# Altium PCB spd150.PcbDoc (part 11 of 16)
Units mm, origin at the board's own origin, x right, y up, seen from the top; angles counter-clockwise.
Board outline 217.35 x 147.5 mm, 10 copper layers (TOP, LYR2-PLN, LYR3-SIG, LYR4-SIG, LYR5-PLN, LYR6-PLN, LYR7-SIG, LYR8-SIG, LYR9-PLN, BOTTOM), stack 2.134 mm thick; 1065 components, 972 nets, 4226 pads, 2810 vias.
Unrouted connection lines stored in the file: 16.
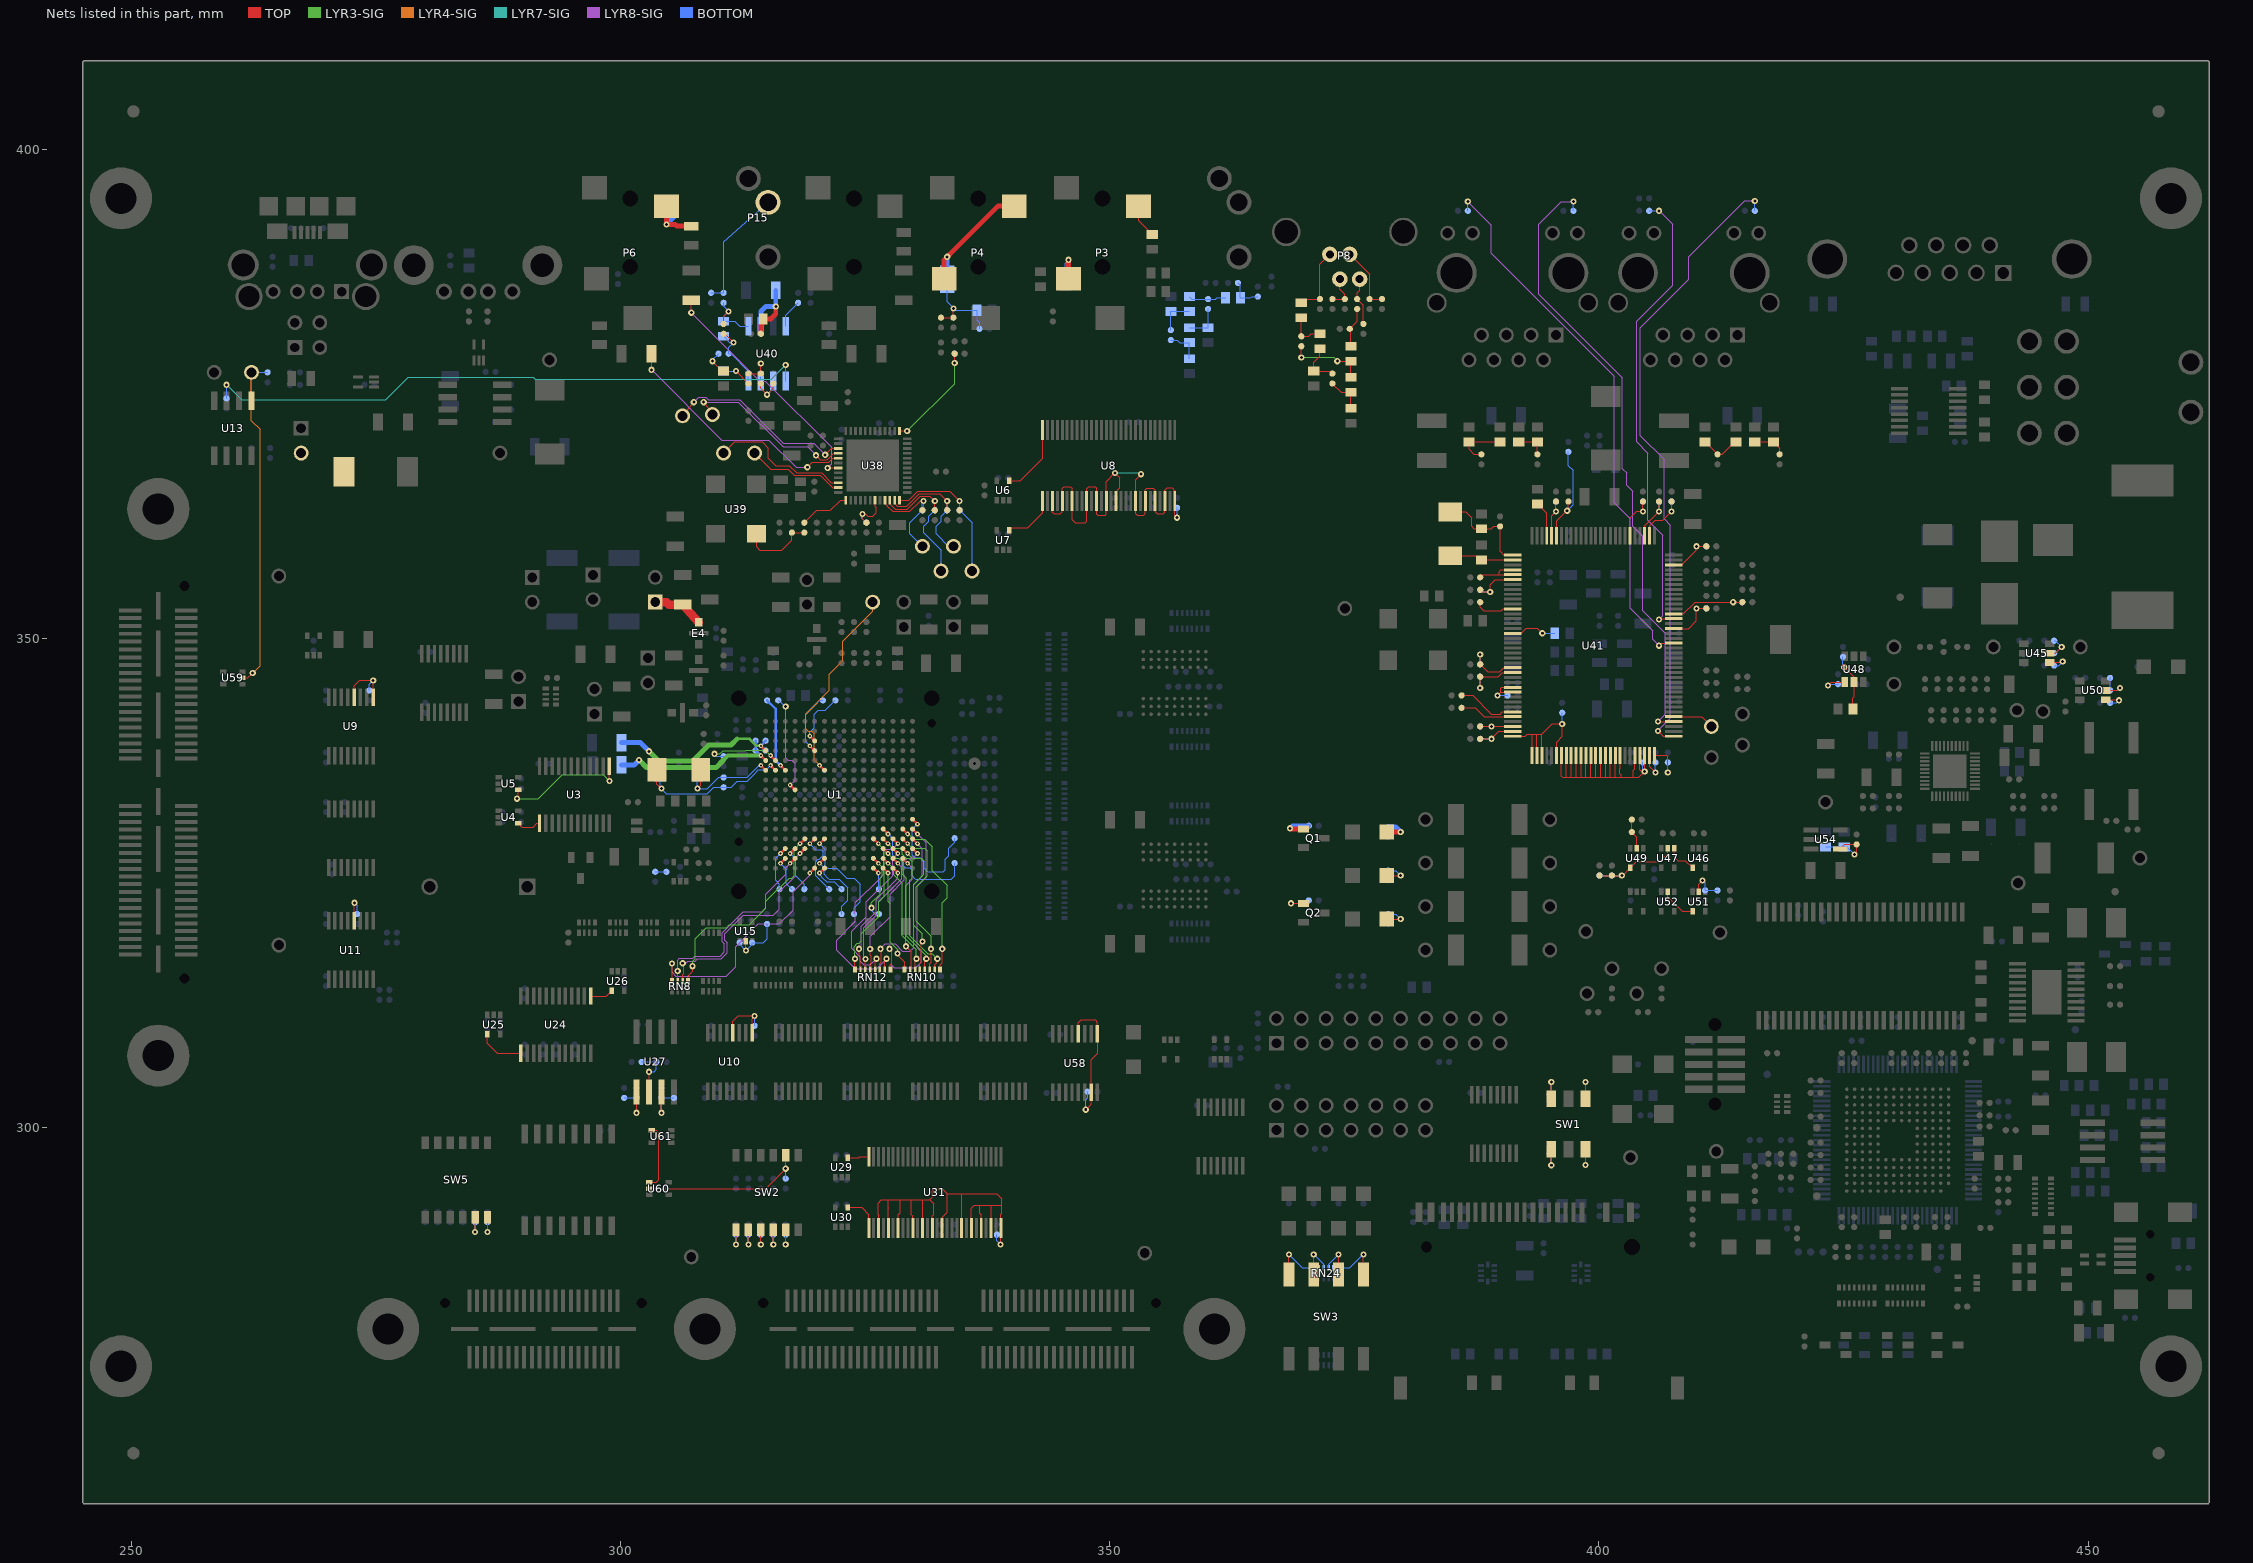
[diagram p19: the nets of this part, all layers, seen from the top]

## Via types
v1: diameter 0.635, hole 0.305, TOP to BOTTOM, 2018 vias
v2: diameter 0.483, hole 0.203, TOP to BOTTOM, 651 vias
v3: diameter 0.508, hole 0.254, TOP to BOTTOM, 120 vias
v4: diameter 0.559, hole 0.254, TOP to BOTTOM, 21 vias

## Nets (pads, with @x,y where several pads share a name; then routed paths per layer and width w, separated by ;. In a path a pad name is that pad's centre, name@x,y a point inside that pad or via, vN(x,y) a via of type N, cw(c..) or ccw(c..) an arc to the next point about the centre after c; other vN are vias at no path point) (continued)
N17369068: E4.3 PTP10.1 R64.1 | length 5.3
  TOP w0.889: PTP10.1@303.53,353.695 304.673,353.695 304.927,353.441 R64.1@306.324,353.441 E4.3@307.975,351.638
N17382218: R152.1 U58.7 U58.9 U58.12 | length 14.7
  TOP w0.127: U58.12@346.781,309.565 346.781,310.713 347.091,311.023 348.488,311.023 348.732,310.779 U58.9@348.732,309.565 348.742,309.555 348.742,307.594 348.082,306.934 U58.7@348.082,303.591 348.082,302.362 v1(347.536,301.815)
  BOTTOM w0.127: v1(347.536,301.815) 347.536,302.832 347.726,303.022 R152.1@347.726,303.657
N17406762: R209.1 R210.2 U39.3 | length 7.5
  TOP w0.127: U39.3@313.88,360.68 313.88,359.346 314.198,359.029 316.484,359.029 317.5,360.045 R210.2@317.5,360.807 R209.1@318.77,360.807
N17415034: C179.1 R215.2 R220.1 U40.5 | length 6.6
  TOP w0.127: R215.2@310.515,382.143 310.515,382.905 v1(311.023,383.413)
  BOTTOM w0.127: R220.1@310.515,384.302 310.515,383.921 v1(311.023,383.413) 310.515,382.905 C179.1@310.515,382.397 311.658,382.397 312.166,381.889 U40.5@313.055,381.889
N17426119: RN24.7 SW3.6 | length 3.8
  TOP w0.127: SW3.6@373.38,284.988 v1(373.38,287.02)
  BOTTOM w0.127: RN24.7@372.359,285.636 372.359,285.999 v1(373.38,287.02)
N17426120: RN24.6 SW3.7 | length 3.8
  TOP w0.127: SW3.7@370.84,284.988 v1(370.84,287.02)
  BOTTOM w0.127: v1(370.84,287.02) 371.861,285.999 RN24.6@371.861,285.636
N17426121: RN24.5 SW3.8 | length 5.6
  TOP w0.127: SW3.8@368.3,284.988 v1(368.3,287.02)
  BOTTOM w0.127: v1(368.3,287.02) 369.684,285.636 RN24.5@371.287,285.636
N17426122: RN24.8 SW3.5 | length 5.6
  TOP w0.127: SW3.5@375.92,284.988 v1(375.92,287.02)
  BOTTOM w0.127: RN24.8@372.933,285.636 374.536,285.636 v1(375.92,287.02)
N17431894: TP39.1 U38.27 | length 19.5
  TOP w0.127: TP39.1@306.324,372.745 v1(307.467,374.142) ; v1(320.904,368.757) 321.561,369.415 U38.27@322.224,369.415
  LYR8-SIG w0.127: v1(307.467,374.142) 307.975,374.65 308.694,374.65 308.948,374.396 312.166,374.396 316.611,369.951 319.71,369.951 v1(320.904,368.757)
N17447305: R53.2 TP2.1 U13.5 U59.2 | length 37.2
  TOP w0.127: U59.2@261.341,345.948 261.874,345.948 v1(262.382,346.456) ; U13.5@262.255,374.269 TP2.1@262.255,377.19
  LYR4-SIG w0.127: TP2.1@262.255,377.19 262.255,372.237 263.144,371.348 263.144,347.218 v1(262.382,346.456)
  BOTTOM w0.127: TP2.1@262.255,377.19 R53.2@263.906,377.19
N17497469: C199.2 U41.66 Y3.2 | length 6.6
  TOP w0.127: Y3.2@384.81,358.445 387.553,358.445 C199.2@387.985,358.013 387.99,358.008 U41.66@391.185,358.008
N17497722: C200.2 R273.2 U41.65 Y3.1 | length 10.4
  TOP w0.127: Y3.1@384.81,362.915 386.385,362.915 386.969,362.331 386.969,361.442 387.223,361.188 C200.2@387.985,361.188 389.001,361.188 389.255,361.442 R273.2@389.89,361.442 389.89,358.902 390.284,358.508 U41.65@391.185,358.508
N17505012: R250.2 U41.76 | length 4.1
  TOP w0.127: R250.2@387.858,353.695 387.858,353.187 388.239,352.806 390.017,352.806 390.215,353.004 U41.76@391.185,353.004
N17532793: R110.2 SW1.1 | length 2.9
  TOP w0.127: v1(395.122,296.139) SW1.1@395.122,297.764
  BOTTOM w0.127: R110.2@394.97,297.307 395.122,297.155 v1(395.122,296.139)
N17532800: R113.1 SW1.3 | length 2.8
  TOP w0.127: v1(398.628,296.164) SW1.3@398.628,297.764
  BOTTOM w0.127: v1(398.628,296.164) 398.628,297.155 R113.1@398.78,297.307
N17532804: R114.1 SW1.6 | length 3
  TOP w0.127: SW1.6@398.628,302.946 v1(398.628,304.648)
  BOTTOM w0.127: v1(398.628,304.648) 398.628,303.555 R114.1@398.78,303.403
N17532808: R111.2 SW1.4 | length 3
  TOP w0.127: SW1.4@395.122,302.946 v1(395.122,304.648)
  BOTTOM w0.127: R111.2@394.97,303.403 395.122,303.555 v1(395.122,304.648)
N17550030: R386.2 SW5.6 | length 2.5
  TOP w0.127: v1(286.385,289.306) SW5.6@286.385,290.83
  BOTTOM w0.127: v1(286.385,289.306) R386.2@286.385,290.322
N17550083: R385.2 SW5.5 | length 2.5
  TOP w0.127: v1(285.115,289.306) SW5.5@285.115,290.83
  BOTTOM w0.127: v1(285.115,289.306) R385.2@285.115,290.322
N17562803: U7.4 U8.1 | length 5.3
  TOP w0.127: U7.4@339.74,361.036 340.02,361.315 341.63,361.315 343.136,362.821 U8.1@343.136,364.033
N17565606: U30.4 U31.1 | length 3.8
  TOP w0.127: U30.4@323.23,291.821 324.637,291.821 325.356,291.102 U31.1@325.356,289.738
N17583058: C174.1 U38.31 | length 24.7
  TOP w0.127: v1(307.213,383.286) C174.1@307.213,384.556 ; v1(321.158,367.416) U38.31@322.224,367.416
  LYR8-SIG w0.127: v1(307.213,383.286) 314.198,376.301 314.785,376.301 321.564,369.522 321.564,367.822 v1(321.158,367.416)
N17584899: R190.2 R191.2 U38.13 | length 11.6
  TOP w0.127: U38.13@328.503,371.196 v1(329.286,371.196) ; v1(334.137,378.155) R191.2@334.137,379.095
  LYR3-SIG w0.127: v1(329.286,371.196) 334.137,376.047 v1(334.137,378.155)
  BOTTOM w0.127: v1(334.137,378.155) R190.2@334.137,379.095
N17692583: U3.1 U4.4 | length 2.5
  TOP w0.127: U4.4@289.535,331.074 289.9,330.708 291.041,330.708 291.422,331.089 U3.1@291.699,331.089
N17718724: R201.2 R207.1 TP9.1 U38.45 | length 11.8
  TOP w0.127: U38.45@327.005,364.134 327.005,363.791 327.251,363.545 327.251,363.522 327.807,362.966 329.565,362.966 330.632,364.033 v1(330.962,364.033) 330.962,363.22 R201.2@330.835,363.093
  BOTTOM w0.127: TP9.1@330.835,359.41 329.565,360.68 329.565,361.823 R207.1@330.835,363.093 330.835,363.906 v1(330.962,364.033)
N17719164: R200.2 R206.1 TP10.1 U38.46 | length 15.3
  TOP w0.127: U38.46@327.505,364.134 327.505,363.756 328.041,363.22 329.311,363.22 330.632,364.541 331.597,364.541 v1(332.105,364.033) R206.1@332.105,363.093
  BOTTOM w0.127: v1(332.105,364.033) R200.2@332.105,363.093 331.47,362.458 331.47,361.95 330.962,361.442 330.962,360.807 332.74,359.029 TP10.1@332.74,356.87
N17733232: R44.1 U9.9 U9.12 | length 6.2
  TOP w0.127: U9.12@272.74,343.982 272.74,345.13 273.304,345.694 v1(274.701,345.694) 274.701,343.992 U9.9@274.691,343.982
  BOTTOM w0.127: R44.1@274.32,344.678 274.32,345.313 v1(274.701,345.694)
N17811482: R48.1 U11.12 | length 3.1
  TOP w0.127: U11.12@272.74,321.122 272.74,322.905 v1(272.796,322.961)
  BOTTOM w0.127: v1(272.796,322.961) 273.05,322.707 R48.1@273.05,321.818
N17834487: R241.2 U41.81 | length 4.7
  TOP w0.127: U41.81@391.185,350.502 392.031,350.502 392.557,351.028 393.7,351.028 v1(394.208,350.52)
  BOTTOM w0.127: v1(394.208,350.52) R241.2@395.478,350.52
N17873143: R335.2 R388.2 U49.2 | length 3.2
  TOP w0.127: R335.2@403.352,331.47 R388.2@403.352,330.2 403.86,329.692 U49.2@403.86,328.524
N17901026: R333.2 U41.97 | length 6.1
  TOP w0.127: R333.2@385.953,344.17 387.096,344.17 389.001,342.265 389.89,342.265 390.119,342.494 U41.97@391.185,342.494
N17901100: R389.2 U41.98 | length 5.6
  TOP w0.127: R389.2@385.953,342.9 387.35,342.9 388.257,341.993 U41.98@391.185,341.993
N17925688: C189.2 R222.2 U40.2 | length 4.5
  TOP w0.127: R222.2@314.325,376.047 314.325,375.539 v1(314.96,374.904) 315.595,375.539 C189.2@315.595,376.047
  BOTTOM w0.127: v1(314.96,374.904) 315.595,375.539 U40.2@315.595,376.301
N18075879: TP6.1 U1.F7 | length 21
  TOP w0.254: v2(320.327,337.012) U1.F7@320.827,336.512
  LYR4-SIG w0.102: 318.897,342.265 318.897,340.741 319.151,340.487 319.532,340.487 319.773,340.246 319.773,337.566 v2(320.327,337.012)
  LYR4-SIG w0.127: 318.897,342.265 321.31,344.678 321.31,346.329 322.707,347.726 322.707,349.707 325.755,352.755 TP6.1@325.755,353.695
N18075961: C56.1 C272.1 L24.1 U1.D1 | length 18.4
  TOP w0.254: v2(314.322,339.014) U1.D1@314.823,338.513
  LYR3-SIG w0.254: 311.912,339.725 313.182,339.725 313.893,339.014 v2(314.322,339.014)
  LYR3-SIG w0.508: v1(302.895,338.455) 303.911,337.439 307.34,337.439 308.991,339.09 311.277,339.09 311.912,339.725
  BOTTOM w0.254: C272.1@314.808,338.531 v2(314.322,339.014) C56.1@314.808,339.532
  BOTTOM w0.508: L24.1@300.101,339.344 302.006,339.344 v1(302.895,338.455)
N18076044: C56.2 C272.2 L25.1 U1.E1 | length 17.7
  TOP w0.254: v2(314.322,338.013) U1.E1@314.823,337.513
  LYR3-SIG w0.381: 310.515,337.566 310.962,338.013 v2(314.322,338.013)
  LYR3-SIG w0.508: v1(301.879,337.566) 302.641,336.804 309.753,336.804 310.515,337.566
  BOTTOM w0.254: C56.2@313.792,339.532 C272.2@313.792,338.531 v2(314.322,338.013)
  BOTTOM w0.508: L25.1@300.101,337.058 301.371,337.058 v1(301.879,337.566)
N18088544: R124.2 SW2.8 U60.2 | length 17.2
  TOP w0.127: U60.2@302.92,293.751 314.833,293.751 v1(316.865,295.783) SW2.8@316.865,297.18
  BOTTOM w0.127: R124.2@316.865,294.767 v1(316.865,295.783)
N18088684: R126.1 SW2.5 | length 2.5
  TOP w0.127: v1(316.865,288.036) SW2.5@316.865,289.56
  BOTTOM w0.127: v1(316.865,288.036) R126.1@316.865,289.052
N18093495: U60.1 U61.4 | length 6.8
  TOP w0.127: U60.1@302.92,294.401 303.657,294.401 303.911,294.655 303.911,299.466 303.642,299.735 U61.4@303.174,299.735
N18100807: R347.2 R348.2 U45.5 | length 3.5
  TOP w0.127: U45.5@446.075,348.488 446.659,348.488 v1(447.294,349.123)
  BOTTOM w0.127: R348.2@446.532,348.488 446.659,348.488 v1(447.294,349.123) 446.659,349.758 R347.2@446.532,349.758
N18100837: C248.1 U45.4 | length 2.4
  TOP w0.127: U45.4@446.075,347.538 447.309,347.538 v1(447.396,347.624)
  BOTTOM w0.127: C248.1@446.532,347.218 446.989,347.218 v1(447.396,347.624)
N18105968: R350.2 R351.2 U48.5 | length 5.9
  TOP w0.127: v1(425.069,347.04) 426.075,346.034 U48.5@426.075,345.531 426.075,344.033 425.958,343.916 R350.2@425.958,342.773
  BOTTOM w0.127: R351.2@424.942,348.107 424.942,347.167 v1(425.069,347.04)
N18105990: C252.1 U48.4 | length 2.9
  TOP w0.127: v1(423.418,345.186) 423.763,345.531 U48.4@425.125,345.531
  BOTTOM w0.127: v1(423.418,345.186) 423.545,345.313 C252.1@424.434,345.313
N18106307: R355.2 R356.2 U50.5 | length 4
  TOP w0.127: U50.5@451.79,344.678 453.009,344.678 v1(453.263,344.932)
  BOTTOM w0.127: R355.2@452.247,345.948 R356.2@452.247,344.678 453.009,344.678 v1(453.263,344.932)
N18106329: C254.1 U50.4 | length 2.4
  TOP w0.127: U50.4@451.79,343.728 453.095,343.728 v1(453.161,343.662)
  BOTTOM w0.127: C254.1@452.247,343.408 452.907,343.408 v1(453.161,343.662)
N18111689: C187.1 P15.5 R220.2 | length 12.6
  BOTTOM w0.127: C187.1@309.245,385.318 R220.2@310.515,385.318 310.515,390.525 P15.5@315.062,394.564
N18111717: C176.2 C177.1 R213.1 | length 3.7
  BOTTOM w0.127: R213.1@356.235,380.492 356.87,380.492 357.124,380.238 C177.1@358.14,380.238 C176.2@358.14,378.587
N18111721: C180.2 C181.1 R213.2 | length 3.8
  BOTTOM w0.127: R213.2@356.235,381.508 C180.2@356.235,383.413 C181.1@358.14,383.413
N18111741: C181.2 C182.1 R214.2 | length 3.8
  BOTTOM w0.127: C181.2@358.14,384.937 358.394,384.683 R214.2@360.045,384.683 360.807,384.683 360.934,384.81 C182.1@361.823,384.81
N18111745: C177.2 C178.1 R214.1 | length 3.8
  BOTTOM w0.127: C177.2@358.14,381.762 C178.1@360.045,381.762 R214.1@360.045,383.667
N18111807: C182.2 R216.1 R217.2 | length 3.5
  BOTTOM w0.127: R217.2@363.093,386.334 363.347,386.08 C182.2@363.347,384.81 364.363,384.81 364.49,384.937 R216.1@365.125,384.937
N18122681: DS9.2 R374.2 | length 2.9
  TOP w0.127: DS9.2@378.308,321.31 v1(379.73,321.31)
  BOTTOM w0.127: R374.2@378.46,321.818 379.222,321.818 v1(379.73,321.31)
N18122715: Q1.1 R369.2 | length 3.4
  TOP w0.508: v1(368.427,330.581) 368.478,330.53 Q1.1@369.773,330.53
  BOTTOM w0.508: v1(368.427,330.581) 368.681,330.835 R369.2@370.332,330.835
N18122719: DS6.2 R367.1 | length 2.9
  TOP w0.508: DS6.2@378.308,330.2 v1(379.73,330.2)
  BOTTOM w0.508: R367.1@378.46,330.708 379.222,330.708 v1(379.73,330.2)
N18122793: Q2.1 R371.2 | length 3.2
  TOP w0.127: v1(368.503,322.91) Q2.1@369.773,322.91
  BOTTOM w0.127: v1(368.503,322.91) 370.027,322.91 R371.2@370.332,323.215
N18122797: DS8.2 R370.1 | length 2.9
  TOP w0.127: DS8.2@378.308,325.755 v1(379.73,325.755)
  BOTTOM w0.127: R370.1@378.46,326.263 379.222,326.263 v1(379.73,325.755)
N18122896: L14.2 P6.3 R193.1 | length 6.3
  TOP w0.508: P6.3@304.673,394.17 v1(304.673,392.303) 305.562,392.303 305.74,392.125 L14.2@307.213,392.125
  BOTTOM w0.508: v1(304.673,392.303) 305.435,393.065 R193.1@305.435,393.827
N18142725: RN8.1 U1.N5 | length 22.1
  TOP w0.127: RN8.1@306.893,314.973 306.893,315.529 307.34,315.976 v1(307.34,316.484)
  TOP w0.254: v2(318.325,329.006) U1.N5@318.826,329.507
  LYR3-SIG w0.102: 317.221,325.501 317.5,325.501 317.729,325.73 317.729,328.409 v2(318.325,329.006)
  LYR3-SIG w0.127: v1(307.34,316.484) 307.34,316.992 307.594,317.246 307.594,319.278 308.737,320.421 310.82,320.421 311.099,320.7 313.131,320.7 314.833,322.402 314.833,323.113 317.221,325.501
N18142726: RN8.2 U1.P5 | length 22.9
  TOP w0.127: RN8.2@306.319,314.973 306.319,315.59 306.451,315.722 306.451,316.644 306.334,316.761 v1(306.334,316.786)
  TOP w0.254: v2(318.325,328.005) U1.P5@318.826,328.506
  LYR8-SIG w0.102: 317.627,325.501 317.881,325.755 317.881,327.561 v2(318.325,328.005)
  LYR8-SIG w0.127: v1(306.334,316.786) 306.669,316.786 306.875,316.992 307.594,316.992 307.848,317.246 310.284,317.246 310.896,317.858 310.896,318.897 310.642,319.151 310.642,319.786 312.547,321.691 315.595,321.691 316.23,322.326 316.23,324.104 317.627,325.501
N18142727: RN8.3 U1.R4 | length 21.2
  TOP w0.127: RN8.3@305.821,314.973 v1(305.821,315.996)
  TOP w0.254: v2(317.325,327.005) U1.R4@317.825,327.505
  LYR8-SIG w0.102: 316.484,325.501 316.865,325.882 316.865,326.545 v2(317.325,327.005)
  LYR8-SIG w0.127: v1(305.821,315.996) 305.821,315.971 305.816,315.976 305.816,317.119 305.994,317.297 307.365,317.297 307.569,317.5 310.152,317.5 310.591,317.939 310.591,318.77 310.388,318.973 310.388,319.913 312.547,322.072 314.46,322.072 314.833,322.445 314.833,323.85 316.484,325.501
N18142728: RN8.4 U1.T6 | length 24.4
  TOP w0.127: RN8.4@305.247,314.973 v1(305.247,316.763)
  TOP w0.254: v2(319.326,326.004) U1.T6@319.827,326.504
  LYR8-SIG w0.102: 319.024,325.501 319.326,325.803 v2(319.326,326.004)
  LYR8-SIG w0.127: v1(305.247,316.763) 305.247,315.852 305.631,315.468 310.769,315.468 311.734,316.433 311.734,318.458 314.079,320.802 316.21,320.802 317.627,322.219 317.627,324.104 319.024,325.501
N18190322: U24.1 U25.4 | length 4.8
  TOP w0.127: U25.4@286.37,309.524 286.37,308.625 287.401,307.594 U24.1@289.794,307.594
N18196957: C16.1 J1.2
N18205235: R394.2 U1.H4 | length 10.5
  TOP w0.254: v2(317.325,335.011) U1.H4@317.825,334.51
  LYR8-SIG w0.102: 316.865,342.519 316.865,337.769 317.119,337.515 317.475,337.515 317.83,337.16 317.83,335.516 v2(317.325,335.011)
  LYR8-SIG w0.127: 316.865,342.519 v1(316.865,343.027)
  BOTTOM w0.127: R394.2@316.103,343.662 v1(316.865,343.027)
N18206584: R395.2 U1.F3 | length 7.9
  TOP w0.254: v2(316.324,337.012) U1.F3@316.824,336.512
  BOTTOM w0.254: R395.2@314.96,343.662 315.824,342.798 315.824,337.513 v2(316.324,337.012)
N18208607: R209.2 U38.37 | length 5.2
  TOP w0.127: R209.2@318.77,361.823 320.04,363.093 321.437,363.093 322.478,364.134 U38.37@323.007,364.134
N18255289: R352.2 R354.2 R357.2 R358.2 U47.2 U49.4 | length 10.7
  TOP w0.127: R357.2@400.05,325.755 R352.2@401.32,325.755 v1(402.336,325.755) 402.422,325.755 U49.4@403.21,326.542 403.819,327.152 406.146,327.152 407.035,328.041 U47.2@407.035,328.524
  BOTTOM w0.127: R358.2@400.05,325.755 R354.2@401.32,325.755 v1(402.336,325.755)
N18269179: U46.4 U47.1 | length 3.2
  TOP w0.127: U47.1@407.685,328.524 407.685,327.66 408.066,327.279 408.823,327.279 U46.4@409.56,326.542
N18478171: C275.1 R396.2 | length 1.1
  BOTTOM w0.127: R396.2@303.53,326.136 C275.1@304.673,326.136
N18495556: R45.1 U10.9 U10.12 | length 6.4
  TOP w0.127: U10.12@311.475,309.692 311.475,310.84 312.039,311.404 313.68,311.404 v1(313.69,311.394) 313.426,311.13 U10.9@313.426,309.692
  BOTTOM w0.127: R45.1@313.69,310.388 v1(313.69,311.394)
N18809233: R82.1 U1.M13 | length 12.4
  TOP w0.254: U1.M13@326.832,330.507 v2(327.332,330.007)
  BOTTOM w0.102: v2(327.332,330.007) 327.812,329.527 327.812,327.838 328.143,327.508 328.498,327.508 328.854,327.152 328.854,326.796 329.108,326.542 329.54,326.542 329.794,326.288 329.794,325.73 330.022,325.501
  BOTTOM w0.127: 330.022,325.501 330.149,325.374 333.781,325.374 334.137,325.73 R82.1@334.137,327.025
N18847671: RN12.9 U1.M16 | length 22.1
  TOP w0.127: v1(327.482,318.262) 327.701,318.044 327.701,316.774 327.574,316.647 RN12.9@327.574,316.154
  TOP w0.254: U1.M16@329.834,330.507 v2(330.335,330.007)
  LYR8-SIG w0.102: v2(330.335,330.007) 330.835,329.507
  LYR8-SIG w0.127: v1(327.482,318.262) 327.685,318.059 327.685,316.586 327.939,316.332 330.175,316.332 330.733,316.89 330.733,317.983 330.327,318.389 330.327,324.678 331.216,325.567 331.216,329.126 330.835,329.507
N18847673: RN12.10 U1.N14 | length 22
  TOP w0.127: RN12.10@327,316.154 327,317.068 v1(327.177,317.246)
  TOP w0.254: U1.N14@327.833,329.507 v2(328.333,329.006)
  LYR8-SIG w0.102: 326.517,325.501 326.898,325.882 326.898,328.168 327.152,328.422 327.749,328.422 v2(328.333,329.006)
  LYR8-SIG w0.127: 326.517,325.501 323.977,322.961 323.977,321.056 322.072,319.151 322.072,318.135 323.977,316.23 326.161,316.23 v1(327.177,317.246)
N18847675: RN12.11 U1.N16 | length 18.2
  TOP w0.127: RN12.11@326.502,316.154 326.502,316.738 326.644,316.88 326.644,318.135 326.517,318.262 v1(326.542,318.262)
  TOP w0.254: U1.N16@329.834,329.507 v2(330.335,329.006)
  LYR8-SIG w0.102: v2(330.335,329.006) 330.835,328.506 330.835,325.694
  LYR8-SIG w0.127: v1(326.542,318.262) 327.05,318.77 328.041,318.77 328.803,318.008 329.565,318.008 329.946,318.389 329.946,324.805 330.835,325.694
N18847677: RN12.12 U1.P14 | length 17.3
  TOP w0.127: RN12.12@326.004,316.154 326.004,316.291 326.009,316.296 326.009,317.119 v1(326.136,317.246)
  TOP w0.254: U1.P14@327.833,328.506 v2(328.333,328.005)
  LYR8-SIG w0.102: 327.533,325.501 327.787,325.755 327.787,327.459 v2(328.333,328.005)
  LYR8-SIG w0.127: v1(326.136,317.246) 325.501,316.611 324.866,316.611 324.485,316.992 324.485,317.416 323.596,318.305 323.596,320.04 325.12,321.564 325.12,323.088 327.533,325.501
N18847679: RN12.13 U1.P16 | length 15
  TOP w0.127: RN12.13@325.506,316.154 325.506,316.738 325.628,316.86 325.628,317.5 325.506,317.622 v1(325.506,318.257)
  TOP w0.254: U1.P16@329.834,328.506 v2(330.335,328.005)
  LYR8-SIG w0.102: 328.993,325.501 328.993,325.785 328.94,325.839 328.94,327.17 329.303,327.533 329.862,327.533 v2(330.335,328.005)
  LYR8-SIG w0.127: v1(325.506,318.257) 325.506,319.537 327.533,321.564 327.533,323.85 328.993,325.31 328.993,325.501
N18847681: RN12.14 U1.R14 | length 13.4
  TOP w0.127: RN12.14@325.008,316.154 v1(325.008,317.231)
  TOP w0.254: U1.R14@327.833,327.505 v2(328.333,327.005)
  LYR8-SIG w0.102: v2(328.333,327.005) 328.727,326.611 328.727,325.514
  LYR8-SIG w0.127: v1(325.008,317.231) 324.866,317.373 324.866,320.421 326.39,321.945 326.39,323.088 328.727,325.425 328.727,325.514
N18847683: RN12.15 U1.T14 | length 12.3
  TOP w0.127: v1(324.358,318.262) 324.358,317.584 324.5,317.442 324.5,316.164 RN12.15@324.51,316.154
  TOP w0.254: U1.T14@327.833,326.504 v2(328.333,326.004)
  LYR8-SIG w0.102: 328.333,325.501 v2(328.333,326.004)
  LYR8-SIG w0.127: v1(324.358,318.262) 324.612,318.516 324.612,320.548 326.136,322.072 326.136,323.304 328.333,325.501
N18847685: RN12.16 U1.N12 | length 15.2
  TOP w0.127: RN12.16@323.936,316.154 v1(323.936,317.246)
  TOP w0.254: U1.N12@325.831,329.507 v2(326.332,329.006)

## Text inside footprints (layer, text, board x,y; h text height)
J5: PIN_NUMBER "2" at 366.624,311.15 h1.02 r90; PIN_NUMBER "1" at 366.624,308.61 h1.02 r90; PIN_NUMBER "8" at 374.244,311.15 h1.02 r90; PIN_NUMBER "13" at 381.457,308.61 h1.02 r90; PIN_NUMBER "5" at 371.704,308.61 h1.02 r90; PIN_NUMBER "3" at 369.164,308.61 h1.02 r90; PIN_NUMBER "7" at 374.244,308.61 h1.02 r90; PIN_NUMBER "15" at 383.997,308.61 h1.02 r90; PIN_NUMBER "11" at 378.917,308.61 h1.02 r90; PIN_NUMBER "9" at 376.784,308.61 h1.02 r90; PIN_NUMBER "20" at 389.077,311.15 h1.02 r90; PIN_NUMBER "18" at 386.537,311.15 h1.02 r90; PIN_NUMBER "16" at 383.997,311.15 h1.02 r90; PIN_NUMBER "14" at 381.457,311.15 h1.02 r90; PIN_NUMBER "12" at 378.917,311.15 h1.02 r90; PIN_NUMBER "10" at 376.377,311.15 h1.02 r90; PIN_NUMBER "6" at 371.704,311.15 h1.02 r90; PIN_NUMBER "4" at 369.164,311.15 h1.02 r90; PIN_NUMBER "19" at 389.077,308.61 h1.02 r90; PIN_NUMBER "17" at 386.537,308.61 h1.02 r90; ASSEMBLY_TOP "SAMTEC-TSM-110-DV" at 360.426,308.737 h0.89 r90; ASSEMBLY_TOP "X" at 360.426,310.007 h0.89 r90; ASSEMBLY_TOP "X" at 360.426,311.277 h0.89 r90; SYMB_DIM "PAD 60RD40" at 407.67,304.8 h0.76 r90; SYMB_DIM "TP-13063" at 358.775,304.165 h0.76 r90
J6: PIN_NUMBER "CENTER" at 441.528,360.045 h1.02 r90; PIN_NUMBER "SHUNT" at 451.485,352.857 h1.02 r90; PIN_NUMBER "SLEEVE" at 450.672,366.141 h1.02 r90; ASSEMBLY_TOP "PART#" at 460.629,354.838 h1.02 r90; ASSEMBLY_TOP "TOL" at 459.359,354.838 h1.02 r90; ASSEMBLY_TOP "RASM712" at 458.089,354.838 h1.02 r90
J201: PIN_NUMBER "3" at 453.365,286.893 h1.02 r90; PIN_NUMBER "2" at 453.365,286.093 h1.02 r90; PIN_NUMBER "1" at 453.365,285.293 h1.02 r90; PIN_NUMBER "9" at 458.978,291.338 h1.02 r90; PIN_NUMBER "7" at 453.466,291.338 h1.02 r90; PIN_NUMBER "8" at 458.978,282.448 h1.02 r90; PIN_NUMBER "6" at 453.466,282.448 h1.02 r90; PIN_NUMBER "5" at 453.365,288.493 h1.02 r90; PIN_NUMBER "4" at 453.365,287.693 h1.02 r90
J205: PIN_NUMBER "6" at 410.007,306.451 h0.51 r270; PIN_NUMBER "3" at 413.309,307.721 h0.51 r270; PIN_NUMBER "5" at 413.309,306.451 h0.51 r270; PIN_NUMBER "4" at 410.007,307.721 h0.51 r270; PIN_NUMBER "7" at 413.309,305.181 h0.51 r270; PIN_NUMBER "8" at 410.007,305.181 h0.51 r270; PIN_NUMBER "1" at 413.309,308.991 h0.51 r270; PIN_NUMBER "9" at 413.309,303.911 h0.51 r270; PIN_NUMBER "10" at 409.804,303.911 h0.51 r270; PIN_NUMBER "2" at 410.007,308.991 h0.51 r270; ASSEMBLY_TOP "100562-0005" at 411.861,292.1 h1.02 r270; ASSEMBLY_TOP "TOL" at 410.591,292.1 h1.02 r270; ASSEMBLY_TOP "PART#" at 409.321,292.1 h1.02 r270; SYMB_DIM "PAD 35x55rec" at 392.798,316.446 h1.52 r270; SYMB_DIM "CONN2X13-35x55-pass" at 428.371,317.881 h1.52 r270
JP501: PIN_NUMBER "1" at 451.206,293.243 h0.51; PIN_NUMBER "2" at 449.682,293.243 h0.51; PIN_NUMBER "3" at 448.158,293.243 h0.51; ASSEMBLY_BOTTOM "JUMPER3_SMT" at 451.485,293.116 h1.02; ASSEMBLY_BOTTOM "X" at 450.596,293.116 h1.02; ASSEMBLY_BOTTOM "X" at 449.707,293.243 h1.02
JP502: PIN_NUMBER "1" at 457.175,304.165 h0.51; PIN_NUMBER "2" at 455.651,304.165 h0.51; PIN_NUMBER "3" at 454.127,304.165 h0.51; ASSEMBLY_BOTTOM "JUMPER3_SMT" at 457.454,304.038 h1.02; ASSEMBLY_BOTTOM "X" at 456.565,304.038 h1.02; ASSEMBLY_BOTTOM "X" at 455.676,304.165 h1.02
JP503: PIN_NUMBER "1" at 456.921,302.133 h0.51; PIN_NUMBER "2" at 455.397,302.133 h0.51; PIN_NUMBER "3" at 453.873,302.133 h0.51; ASSEMBLY_BOTTOM "JUMPER3_SMT" at 457.2,302.006 h1.02; ASSEMBLY_BOTTOM "X" at 456.311,302.006 h1.02; ASSEMBLY_BOTTOM "X" at 455.422,302.133 h1.02
JP504: PIN_NUMBER "1" at 447.269,304.546 h0.51 r180; PIN_NUMBER "2" at 448.793,304.546 h0.51 r180; PIN_NUMBER "3" at 450.317,304.546 h0.51 r180; ASSEMBLY_BOTTOM "JUMPER3_SMT" at 447.802,304.673 h1.02 r180; ASSEMBLY_BOTTOM "X" at 448.691,304.673 h1.02 r180; ASSEMBLY_BOTTOM "X" at 449.58,304.546 h1.02 r180
JP505: PIN_NUMBER "1" at 451.206,295.148 h0.51; PIN_NUMBER "2" at 449.682,295.148 h0.51; PIN_NUMBER "3" at 448.158,295.148 h0.51; ASSEMBLY_BOTTOM "JUMPER3_SMT" at 451.485,295.021 h1.02; ASSEMBLY_BOTTOM "X" at 450.596,295.021 h1.02; ASSEMBLY_BOTTOM "X" at 449.707,295.148 h1.02
JP506: PIN_NUMBER "2" at 450.571,298.958 h0.51; PIN_NUMBER "3" at 449.047,298.958 h0.51; PIN_NUMBER "1" at 452.095,298.958 h0.51; ASSEMBLY_BOTTOM "JUMPER3_SMT" at 452.374,298.831 h1.02; ASSEMBLY_BOTTOM "X" at 451.485,298.831 h1.02; ASSEMBLY_BOTTOM "X" at 450.596,298.958 h1.02
JP507: PIN_NUMBER "2" at 449.682,301.498 h0.51; PIN_NUMBER "1" at 451.206,301.498 h0.51; PIN_NUMBER "3" at 448.158,301.498 h0.51; ASSEMBLY_BOTTOM "JUMPER3_SMT" at 451.485,301.371 h1.02; ASSEMBLY_BOTTOM "X" at 450.596,301.371 h1.02; ASSEMBLY_BOTTOM "X" at 449.707,301.498 h1.02
JP508: PIN_NUMBER "2" at 457.048,296.037 h1.02 r180; PIN_NUMBER "1" at 455.524,296.037 h1.02 r180; SYMB_DIM "0" at 453.009,296.545 h1.02 r180; SYMB_DIM "0" at 456.184,299.593 h1.02 r180; SYMB_DIM "R603-35X45" at 451.358,291.211 h1.02 r180; SYMB_DIM "SP  35X45OV" at 461.391,297.434 h1.02 r180; SYMB_DIM "SM  43X53OV" at 461.391,295.656 h1.02 r180; SYMB_DIM "PAD 35X45OV" at 461.391,294.132 h1.02 r180; ASSEMBLY_BOTTOM "X" at 457.708,296.418 h1.02 r180; ASSEMBLY_BOTTOM "X" at 456.819,296.418 h1.02 r180; ASSEMBLY_BOTTOM "JUMPER 2" at 456.057,296.418 h1.02 r180
JP509: PIN_NUMBER "1" at 455.524,297.942 h1.02 r180; PIN_NUMBER "2" at 457.048,297.942 h1.02 r180; SYMB_DIM "0" at 453.009,298.45 h1.02 r180; SYMB_DIM "0" at 456.184,301.498 h1.02 r180; SYMB_DIM "R603-35X45" at 451.358,293.116 h1.02 r180; SYMB_DIM "SP  35X45OV" at 461.391,299.339 h1.02 r180; SYMB_DIM "SM  43X53OV" at 461.391,297.561 h1.02 r180; SYMB_DIM "PAD 35X45OV" at 461.391,296.037 h1.02 r180; ASSEMBLY_BOTTOM "X" at 457.708,298.323 h1.02 r180; ASSEMBLY_BOTTOM "X" at 456.819,298.323 h1.02 r180; ASSEMBLY_BOTTOM "JUMPER 2" at 456.057,298.323 h1.02 r180
JP510: PIN_NUMBER "1" at 455.524,300.482 h1.02 r180; PIN_NUMBER "2" at 457.048,300.482 h1.02 r180; SYMB_DIM "0" at 453.009,300.99 h1.02 r180; SYMB_DIM "0" at 456.184,304.038 h1.02 r180; SYMB_DIM "R603-35X45" at 451.358,295.656 h1.02 r180; SYMB_DIM "SP  35X45OV" at 461.391,301.879 h1.02 r180; SYMB_DIM "SM  43X53OV" at 461.391,300.101 h1.02 r180; SYMB_DIM "PAD 35X45OV" at 461.391,298.577 h1.02 r180; ASSEMBLY_BOTTOM "X" at 457.708,300.863 h1.02 r180; ASSEMBLY_BOTTOM "X" at 456.819,300.863 h1.02 r180; ASSEMBLY_BOTTOM "JUMPER 2" at 456.057,300.863 h1.02 r180
L1: PIN_NUMBER "1" at 267.894,376.555 h1.02 r180; PIN_NUMBER "2" at 265.963,376.555 h1.02 r180; ASSEMBLY_TOP "BLM21PG221SN1" at 267.97,377.19 h1.02 r180; ASSEMBLY_TOP "X" at 267.081,377.19 h1.02 r180; ASSEMBLY_TOP "X" at 266.192,377.19 h1.02 r180; SYMB_DIM "PAD 35X60OV" at 272.415,383.286 h1.02 r180; SYMB_DIM "L805-35X60" at 272.415,370.967 h1.02 r180; SYMB_DIM "0" at 267.843,380.746 h1.02 r180; SYMB_DIM "0" at 272.288,377.063 h1.02 r180
L2: PIN_NUMBER "2" at 423.469,384.175 h1.02 r180; PIN_NUMBER "1" at 421.538,384.175 h1.02 r180; SYMB_DIM "PAD 35X60OV" at 417.83,390.906 h1.02 r180; SYMB_DIM "L805-35X60" at 417.83,378.587 h1.02 r180; SYMB_DIM "0" at 422.402,388.366 h1.02 r180; SYMB_DIM "0" at 417.957,384.683 h1.02 r180; ASSEMBLY_BOTTOM "BLM21PG221SN1D" at 422.275,384.81 h1.02 r180; ASSEMBLY_BOTTOM "X" at 423.164,384.81 h1.02 r180; ASSEMBLY_BOTTOM "X" at 424.053,384.81 h1.02 r180
L3: PIN_NUMBER "2" at 431.089,378.333 h1.02 r180; PIN_NUMBER "1" at 429.158,378.333 h1.02 r180; SYMB_DIM "PAD 35X60OV" at 425.45,385.064 h1.02 r180; SYMB_DIM "L805-35X60" at 425.45,372.745 h1.02 r180; SYMB_DIM "0" at 430.022,382.524 h1.02 r180; SYMB_DIM "0" at 425.577,378.841 h1.02 r180; ASSEMBLY_BOTTOM "1uH" at 429.895,378.968 h1.02 r180; ASSEMBLY_BOTTOM "X" at 430.784,378.968 h1.02 r180; ASSEMBLY_BOTTOM "X" at 431.673,378.968 h1.02 r180
L4: PIN_NUMBER "2" at 433.603,378.333 h1.02; PIN_NUMBER "1" at 435.534,378.333 h1.02; SYMB_DIM "PAD 35X60OV" at 440.055,371.602 h1.02; SYMB_DIM "L805-35X60" at 440.055,383.921 h1.02; SYMB_DIM "0" at 435.483,374.142 h1.02; SYMB_DIM "0" at 439.928,377.825 h1.02; ASSEMBLY_BOTTOM "1uH" at 435.61,377.698 h1.02; ASSEMBLY_BOTTOM "X" at 434.721,377.698 h1.02; ASSEMBLY_BOTTOM "X" at 433.832,377.698 h1.02
L5: PIN_NUMBER "2" at 447.319,384.175 h1.02; PIN_NUMBER "1" at 449.25,384.175 h1.02; SYMB_DIM "PAD 35X60OV" at 453.771,377.444 h1.02; SYMB_DIM "L805-35X60" at 453.771,389.763 h1.02; SYMB_DIM "0" at 449.199,379.984 h1.02; SYMB_DIM "0" at 453.644,383.667 h1.02; ASSEMBLY_BOTTOM "BLM21PG221SN1D" at 449.326,383.54 h1.02; ASSEMBLY_BOTTOM "X" at 448.437,383.54 h1.02; ASSEMBLY_BOTTOM "X" at 447.548,383.54 h1.02
L6: PIN_NUMBER "1" at 325.349,357.175 h1.02 r90; PIN_NUMBER "2" at 325.349,359.105 h1.02 r90; ASSEMBLY_TOP "BLM21PG221SN1D" at 326.39,357.505 h1.02 r90; ASSEMBLY_TOP "X" at 326.39,358.394 h1.02 r90; ASSEMBLY_TOP "X" at 326.39,359.283 h1.02 r90; SYMB_DIM "PAD 35X60OV" at 332.486,353.06 h1.02 r90; SYMB_DIM "L805-35X60" at 320.167,353.06 h1.02 r90; SYMB_DIM "0" at 329.946,357.632 h1.02 r90; SYMB_DIM "0" at 326.263,353.187 h1.02 r90
L7: PIN_NUMBER "2" at 318.364,376.25 h1.02 r90; PIN_NUMBER "1" at 318.364,374.32 h1.02 r90; ASSEMBLY_TOP "BLM21PG221SN1D" at 319.405,374.65 h1.02 r90; ASSEMBLY_TOP "X" at 319.405,375.539 h1.02 r90; ASSEMBLY_TOP "X" at 319.405,376.428 h1.02 r90; SYMB_DIM "PAD 35X60OV" at 325.501,370.205 h1.02 r90; SYMB_DIM "L805-35X60" at 313.182,370.205 h1.02 r90; SYMB_DIM "0" at 322.961,374.777 h1.02 r90; SYMB_DIM "0" at 319.278,370.332 h1.02 r90
L8: PIN_NUMBER "1" at 315.951,366.217 h1.02 r270; PIN_NUMBER "2" at 315.951,364.287 h1.02 r270; ASSEMBLY_TOP "BLM21PG221SN1D" at 315.722,365.887 h1.02 r270; ASSEMBLY_TOP "X" at 315.722,364.998 h1.02 r270; ASSEMBLY_TOP "X" at 315.722,364.109 h1.02 r270; SYMB_DIM "PAD 35X60OV" at 309.626,370.332 h1.02 r270; SYMB_DIM "L805-35X60" at 321.945,370.332 h1.02 r270; SYMB_DIM "0" at 312.166,365.76 h1.02 r270; SYMB_DIM "0" at 315.849,370.205 h1.02 r270
L9: PIN_NUMBER "2" at 314.554,373.71 h1.02 r90; PIN_NUMBER "1" at 314.554,371.78 h1.02 r90; ASSEMBLY_TOP "BLM21PG221SN1D" at 315.595,372.11 h1.02 r90; ASSEMBLY_TOP "X" at 315.595,372.999 h1.02 r90; ASSEMBLY_TOP "X" at 315.595,373.888 h1.02 r90; SYMB_DIM "PAD 35X60OV" at 321.691,367.665 h1.02 r90; SYMB_DIM "L805-35X60" at 309.372,367.665 h1.02 r90; SYMB_DIM "0" at 319.151,372.237 h1.02 r90; SYMB_DIM "0" at 315.468,367.792 h1.02 r90
L10: PIN_NUMBER "2" at 332.969,385.75 h1.02 r90; PIN_NUMBER "1" at 332.969,387.68 h1.02 r90; SYMB_DIM "PAD 35X60OV" at 340.106,391.795 h1.02 r90; SYMB_DIM "L805-35X60" at 327.787,391.795 h1.02 r90; SYMB_DIM "0" at 337.566,387.223 h1.02 r90; SYMB_DIM "0" at 333.883,391.668 h1.02 r90; ASSEMBLY_BOTTOM "BLM21PG221SN1D" at 334.01,387.35 h1.02 r90; ASSEMBLY_BOTTOM "X" at 334.01,386.461 h1.02 r90; ASSEMBLY_BOTTOM "X" at 334.01,385.572 h1.02 r90
L11: PIN_NUMBER "1" at 320.904,380.035 h1.02 r90; PIN_NUMBER "2" at 320.904,381.965 h1.02 r90; ASSEMBLY_TOP "BLM21PG221SN1D" at 321.945,380.365 h1.02 r90; ASSEMBLY_TOP "X" at 321.945,381.254 h1.02 r90; ASSEMBLY_TOP "X" at 321.945,382.143 h1.02 r90; SYMB_DIM "PAD 35X60OV" at 328.041,375.92 h1.02 r90; SYMB_DIM "L805-35X60" at 315.722,375.92 h1.02 r90; SYMB_DIM "0" at 325.501,380.492 h1.02 r90; SYMB_DIM "0" at 321.818,376.047 h1.02 r90
L12: PIN_NUMBER "1" at 328.524,389.56 h1.02 r90; PIN_NUMBER "2" at 328.524,391.49 h1.02 r90; ASSEMBLY_TOP "BLM21PG221SN1D" at 329.565,389.89 h1.02 r90; ASSEMBLY_TOP "X" at 329.565,390.779 h1.02 r90; ASSEMBLY_TOP "X" at 329.565,391.668 h1.02 r90; SYMB_DIM "PAD 35X60OV" at 335.661,385.445 h1.02 r90; SYMB_DIM "L805-35X60" at 323.342,385.445 h1.02 r90; SYMB_DIM "0" at 333.121,390.017 h1.02 r90; SYMB_DIM "0" at 329.438,385.572 h1.02 r90
L13: PIN_NUMBER "1" at 297.409,380.035 h1.02 r90; PIN_NUMBER "2" at 297.409,381.965 h1.02 r90; ASSEMBLY_TOP "BLM21PG221SN1D" at 298.45,380.365 h1.02 r90; ASSEMBLY_TOP "X" at 298.45,381.254 h1.02 r90; ASSEMBLY_TOP "X" at 298.45,382.143 h1.02 r90; SYMB_DIM "PAD 35X60OV" at 304.546,375.92 h1.02 r90; SYMB_DIM "L805-35X60" at 292.227,375.92 h1.02 r90; SYMB_DIM "0" at 302.006,380.492 h1.02 r90; SYMB_DIM "0" at 298.323,376.047 h1.02 r90
L14: PIN_NUMBER "1" at 306.807,390.195 h1.02 r90; PIN_NUMBER "2" at 306.807,392.125 h1.02 r90; ASSEMBLY_TOP "BLM21PG221SN1D" at 307.848,390.525 h1.02 r90; ASSEMBLY_TOP "X" at 307.848,391.414 h1.02 r90; ASSEMBLY_TOP "X" at 307.848,392.303 h1.02 r90; SYMB_DIM "PAD 35X60OV" at 313.944,386.08 h1.02 r90; SYMB_DIM "L805-35X60" at 301.625,386.08 h1.02 r90; SYMB_DIM "0" at 311.404,390.652 h1.02 r90; SYMB_DIM "0" at 307.721,386.207 h1.02 r90
L15: PIN_NUMBER "1" at 441.528,345.313 h1.02; PIN_NUMBER "2" at 445.897,345.313 h1.02; ASSEMBLY_TOP "BLM41P750SPT" at 443.23,344.932 h1.02; ASSEMBLY_TOP "X" at 444.119,344.932 h1.02; ASSEMBLY_TOP "X" at 445.135,344.932 h1.02; SYMB_DIM "PAD 40X70OV" at 442.443,339.598 h1.02; SYMB_DIM "SM  48X78" at 441.985,337.693 h1.02; SYMB_DIM "SP  40X70OV" at 442.443,335.788 h1.02; SYMB_DIM "C1206-40X70" at 442.189,350.52 h1.02; SYMB_DIM "0" at 443.484,341.503 h1.02; SYMB_DIM "0" at 439.674,344.678 h1.02
L16: PIN_NUMBER "2" at 430.619,340.868 h0.89 r270; PIN_NUMBER "1" at 427.698,340.868 h0.89 r90; ASSEMBLY_TOP "X" at 428.879,339.09 h1.02; ASSEMBLY_TOP "X" at 427.609,339.09 h1.02; ASSEMBLY_TOP "2.2uH" at 426.466,339.09 h1.02
L17: PIN_NUMBER "1" at 429.603,329.438 h0.89 r90; PIN_NUMBER "2" at 432.524,329.438 h0.89 r270; ASSEMBLY_TOP "X" at 430.784,327.66 h1.02; ASSEMBLY_TOP "X" at 429.514,327.66 h1.02; ASSEMBLY_TOP "2.2uH" at 428.371,327.66 h1.02
L18: PIN_NUMBER "2" at 439.737,328.981 h0.89 r90; PIN_NUMBER "1" at 442.659,328.981 h0.89 r270; ASSEMBLY_TOP "X" at 442.189,330.759 h1.02 r180; ASSEMBLY_TOP "X" at 443.459,330.759 h1.02 r180; ASSEMBLY_TOP "2.2uH" at 444.602,330.759 h1.02 r180
L19: PIN_NUMBER "1" at 399.644,349.453 h1.02 r90; PIN_NUMBER "2" at 399.644,347.523 h1.02 r90; SYMB_DIM "PAD 35X60OV" at 406.781,353.568 h1.02 r90; SYMB_DIM "L805-35X60" at 394.462,353.568 h1.02 r90; SYMB_DIM "0" at 404.241,348.996 h1.02 r90; SYMB_DIM "0" at 400.558,353.441 h1.02 r90; ASSEMBLY_BOTTOM "BLM21PG221SN1D" at 400.685,349.123 h1.02 r90; ASSEMBLY_BOTTOM "X" at 400.685,348.234 h1.02 r90; ASSEMBLY_BOTTOM "X" at 400.685,347.345 h1.02 r90
L20: PIN_NUMBER "2" at 402.184,347.523 h1.02 r90; PIN_NUMBER "1" at 402.184,349.453 h1.02 r90; SYMB_DIM "PAD 35X60OV" at 409.321,353.568 h1.02 r90; SYMB_DIM "L805-35X60" at 397.002,353.568 h1.02 r90; SYMB_DIM "0" at 406.781,348.996 h1.02 r90; SYMB_DIM "0" at 403.098,353.441 h1.02 r90; ASSEMBLY_BOTTOM "BLM21PG221SN1D" at 403.225,349.123 h1.02 r90; ASSEMBLY_BOTTOM "X" at 403.225,348.234 h1.02 r90; ASSEMBLY_BOTTOM "X" at 403.225,347.345 h1.02 r90
L21: PIN_NUMBER "1" at 401.244,367.665 h1.02; PIN_NUMBER "2" at 399.313,367.665 h1.02; SYMB_DIM "PAD 35X60OV" at 405.765,360.934 h1.02; SYMB_DIM "L805-35X60" at 405.765,373.253 h1.02; SYMB_DIM "0" at 401.193,363.474 h1.02; SYMB_DIM "0" at 405.638,367.157 h1.02; ASSEMBLY_BOTTOM "BLM21PG221SN1D" at 401.32,367.03 h1.02; ASSEMBLY_BOTTOM "X" at 400.431,367.03 h1.02; ASSEMBLY_BOTTOM "X" at 399.542,367.03 h1.02
L22: PIN_NUMBER "1" at 399.009,354.635 h1.02 r270; PIN_NUMBER "2" at 399.009,356.565 h1.02 r270; SYMB_DIM "PAD 35X60OV" at 392.684,350.52 h1.02 r270; SYMB_DIM "L805-35X60" at 405.003,350.52 h1.02 r270; SYMB_DIM "0" at 395.224,355.092 h1.02 r270; SYMB_DIM "0" at 398.907,350.647 h1.02 r270; ASSEMBLY_BOTTOM "BLM21PG221SN1D" at 398.78,354.965 h1.02 r270; ASSEMBLY_BOTTOM "X" at 398.78,355.854 h1.02 r270; ASSEMBLY_BOTTOM "X" at 398.78,356.743 h1.02 r270
L23: PIN_NUMBER "2" at 401.549,356.565 h1.02 r270; PIN_NUMBER "1" at 401.549,354.635 h1.02 r270; SYMB_DIM "PAD 35X60OV" at 395.224,350.52 h1.02 r270; SYMB_DIM "L805-35X60" at 407.543,350.52 h1.02 r270; SYMB_DIM "0" at 397.764,355.092 h1.02 r270; SYMB_DIM "0" at 401.447,350.647 h1.02 r270; ASSEMBLY_BOTTOM "BLM21PG221SN1D" at 401.32,354.965 h1.02 r270; ASSEMBLY_BOTTOM "X" at 401.32,355.854 h1.02 r270; ASSEMBLY_BOTTOM "X" at 401.32,356.743 h1.02 r270
L24: PIN_NUMBER "1" at 299.695,338.836 h1.02; PIN_NUMBER "2" at 296.647,338.836 h1.02; ASSEMBLY_BOTTOM "BLMG1P500SPT" at 299.72,338.836 h1.02; ASSEMBLY_BOTTOM "X" at 298.704,338.836 h1.02; ASSEMBLY_BOTTOM "X" at 297.942,338.963 h1.02
L25: PIN_NUMBER "1" at 299.695,336.55 h1.02; PIN_NUMBER "2" at 296.647,336.55 h1.02; ASSEMBLY_BOTTOM "BLMG1P500SPT" at 299.72,336.55 h1.02; ASSEMBLY_BOTTOM "X" at 298.704,336.55 h1.02; ASSEMBLY_BOTTOM "X" at 297.942,336.677 h1.02
L503: PIN_NUMBER "2" at 450.52,281.559 h1.02; PIN_NUMBER "1" at 448.589,281.559 h1.02; ASSEMBLY_TOP "BLM21P221SN" at 449.326,280.924 h1.02; ASSEMBLY_TOP "X" at 450.215,280.924 h1.02; ASSEMBLY_TOP "X" at 451.104,280.924 h1.02; SYMB_DIM "PAD 35X60OV" at 444.881,274.828 h1.02; SYMB_DIM "L805-35X60" at 444.881,287.147 h1.02; SYMB_DIM "0" at 449.453,277.368 h1.02; SYMB_DIM "0" at 445.008,281.051 h1.02
L504: PIN_NUMBER "1" at 442.392,296.418 h1.02 r180; PIN_NUMBER "2" at 440.461,296.418 h1.02 r180; ASSEMBLY_TOP "BLM21P221SN" at 442.468,297.053 h1.02 r180; ASSEMBLY_TOP "X" at 441.579,297.053 h1.02 r180; ASSEMBLY_TOP "X" at 440.69,297.053 h1.02 r180; SYMB_DIM "PAD 35X60OV" at 446.913,303.149 h1.02 r180; SYMB_DIM "L805-35X60" at 446.913,290.83 h1.02 r180; SYMB_DIM "0" at 442.341,300.609 h1.02 r180; SYMB_DIM "0" at 446.786,296.926 h1.02 r180
L505: PIN_NUMBER "1" at 458.368,291.465 h1.02 r180; PIN_NUMBER "2" at 460.299,291.465 h1.02 r180; SYMB_DIM "PAD 35X60OV" at 454.66,298.196 h1.02 r180; SYMB_DIM "L805-35X60" at 454.66,285.877 h1.02 r180; SYMB_DIM "0" at 459.232,295.656 h1.02 r180; SYMB_DIM "0" at 454.787,291.973 h1.02 r180; ASSEMBLY_BOTTOM "BLM21P221SN" at 459.105,292.1 h1.02 r180; ASSEMBLY_BOTTOM "X" at 459.994,292.1 h1.02 r180; ASSEMBLY_BOTTOM "X" at 460.883,292.1 h1.02 r180
L507: PIN_NUMBER "1" at 449.224,286.918 h1.02; PIN_NUMBER "2" at 450.901,286.918 h1.02; PIN_NUMBER "3" at 450.901,286.106 h1.02; PIN_NUMBER "4" at 449.224,286.106 h1.02; ASSEMBLY_TOP "TOL" at 449.453,283.464 h1.02; ASSEMBLY_TOP "DLW21SN900SQ2" at 447.167,283.591 h1.02; ASSEMBLY_TOP "PART#" at 447.421,283.591 h1.02; SYMB_DIM "BLM11" at 447.421,288.798 h1.02
L590: PIN_NUMBER "2" at 410.693,292.735 h0.51; PIN_NUMBER "1" at 409.169,292.735 h0.51; ASSEMBLY_TOP "30 OHM" at 409.702,292.608 h1.02; ASSEMBLY_TOP "X" at 410.591,292.608 h1.02; ASSEMBLY_TOP "X" at 411.48,292.735 h1.02
L591: PIN_NUMBER "2" at 410.693,295.275 h0.51; PIN_NUMBER "1" at 409.169,295.275 h0.51; ASSEMBLY_TOP "30 OHM" at 409.702,295.148 h1.02; ASSEMBLY_TOP "X" at 410.591,295.148 h1.02; ASSEMBLY_TOP "X" at 411.48,295.275 h1.02
L592: PIN_NUMBER "2" at 405.232,303.53 h0.51 r180; PIN_NUMBER "1" at 403.708,303.53 h0.51 r180; ASSEMBLY_BOTTOM "FERRITE CHIP" at 404.241,303.657 h1.02 r180; ASSEMBLY_BOTTOM "X" at 405.13,303.657 h1.02 r180; ASSEMBLY_BOTTOM "X" at 406.019,303.53 h1.02 r180
P1: PIN_NUMBER "11" at 446.811,388.772 h1.91; PIN_NUMBER "10" at 421.818,388.772 h1.91; PIN_NUMBER "2" at 437.82,387.35 h1.91; PIN_NUMBER "3" at 435.077,387.35 h1.91; PIN_NUMBER "8" at 433.705,390.195 h1.91; PIN_NUMBER "7" at 436.448,390.195 h1.91; PIN_NUMBER "5" at 429.59,387.35 h1.91; PIN_NUMBER "9" at 430.962,390.195 h1.91; PIN_NUMBER "6" at 439.191,390.195 h1.91; PIN_NUMBER "4" at 432.333,387.35 h1.91; PIN_NUMBER "1" at 440.563,387.35 h1.91
P2: PIN_NUMBER "24" at 384.663,291.338 h0.38 r90; PIN_NUMBER "9" at 403.09,291.338 h0.38 r90; PIN_NUMBER "16" at 386.293,291.338 h0.38 r90; PIN_NUMBER "1" at 400.591,291.338 h0.38 r90; PIN_NUMBER "14" at 381.312,291.338 h0.38 r90; PIN_NUMBER "15" at 382.514,291.338 h0.38 r90; PIN_NUMBER "19" at 392.087,291.338 h0.38 r90; PIN_NUMBER "4" at 393.09,291.338 h0.38 r90; PIN_NUMBER "7" at 385.666,291.338 h0.38 r90; PIN_NUMBER "22" at 396.288,291.338 h0.38 r90; PIN_NUMBER "23" at 397.088,291.338 h0.38 r90; PIN_NUMBER "8" at 383.964,291.338 h0.38 r90; PIN_NUMBER "10" at 399.212,273.906 h0.38; PIN_NUMBER "11" at 396.712,273.906 h0.38; PIN_NUMBER "12" at 389.212,273.906 h0.38; PIN_NUMBER "13" at 386.712,273.906 h0.38; PIN_NUMBER "17" at 387.088,291.338 h0.38 r90; PIN_NUMBER "2" at 398.089,291.338 h0.38 r90; PIN_NUMBER "20" at 393.789,291.338 h0.38 r90; PIN_NUMBER "5" at 390.591,291.338 h0.38 r90; PIN_NUMBER "27" at 407.713,273.373 h0.38; PIN_NUMBER "28" at 379.412,273.373 h0.38; PIN_NUMBER "6" at 388.089,291.338 h0.38 r90; PIN_NUMBER "18" at 388.788,291.338 h0.38 r90; PIN_NUMBER "21" at 394.589,291.338 h0.38 r90; PIN_NUMBER "3" at 395.59,291.338 h0.38 r90; PIN_NUMBER "26" at 391.287,291.338 h0.38 r90; PIN_NUMBER "25" at 389.588,291.338 h0.38 r90
P3: PIN_NUMBER "3" at 352.577,394.17 h0.89; PIN_NUMBER "2" at 345.415,386.753 h0.89; PIN_NUMBER "4" at 349.656,382.74 h0.89; PIN_NUMBER "1" at 345.211,396.075 h0.89; PIN_NUMBER "6" at 348.894,387.972 h0.89; PIN_NUMBER "5" at 348.894,394.957 h0.89
P4: PIN_NUMBER "3" at 339.877,394.17 h0.89; PIN_NUMBER "2" at 332.715,386.753 h0.89; PIN_NUMBER "4" at 336.956,382.74 h0.89; PIN_NUMBER "1" at 332.511,396.075 h0.89; PIN_NUMBER "6" at 336.194,387.972 h0.89; PIN_NUMBER "5" at 336.194,394.957 h0.89
P5: PIN_NUMBER "3" at 327.177,394.17 h0.89; PIN_NUMBER "2" at 320.015,386.753 h0.89; PIN_NUMBER "1" at 319.811,396.075 h0.89; PIN_NUMBER "4" at 324.256,382.74 h0.89; PIN_NUMBER "6" at 323.494,387.972 h0.89; PIN_NUMBER "5" at 323.494,394.957 h0.89
P6: PIN_NUMBER "2" at 297.155,386.753 h0.89; PIN_NUMBER "3" at 304.317,394.17 h0.89; PIN_NUMBER "1" at 296.951,396.075 h0.89; PIN_NUMBER "4" at 301.396,382.74 h0.89; PIN_NUMBER "6" at 300.634,387.972 h0.89; PIN_NUMBER "5" at 300.634,394.957 h0.89
P8: PIN_NUMBER "1" at 375.133,386.334 h1.02 r180; PIN_NUMBER "2" at 374.117,388.366 h1.02 r180; PIN_NUMBER "3" at 373.101,386.334 h1.02 r180; PIN_NUMBER "4" at 372.085,388.366 h1.02 r180; PIN_NUMBER "6" at 367.614,390.652 h1.02 r180; PIN_NUMBER "5" at 379.603,391.16 h1.02 r180
P9: PIN_NUMBER "9" at 415.925,391.414 h1.02 r180; PIN_NUMBER "11" at 404.8,391.414 h1.02 r180; PIN_NUMBER "12" at 402.26,391.414 h1.02 r180; PIN_NUMBER "6" at 407.391,377.571 h1.02 r180; PIN_NUMBER "1" at 413.741,380.619 h1.02 r180; PIN_NUMBER "2" at 412.471,377.571 h1.02 r180; PIN_NUMBER "10" at 412.979,391.414 h1.02 r180; PIN_NUMBER "3" at 411.201,380.619 h1.02 r180; PIN_NUMBER "4" at 409.931,377.571 h1.02 r180; PIN_NUMBER "5" at 408.661,380.619 h1.02 r180; PIN_NUMBER "SH1" at 416.23,383.413 h1.02 r180; PIN_NUMBER "SH2" at 400.736,383.921 h1.02 r180; PIN_NUMBER "8" at 404.851,377.571 h1.02 r180; PIN_NUMBER "7" at 406.121,380.619 h1.02 r180; PIN_NUMBER "MH2" at 402.768,386.461 h1.02 r180; PIN_NUMBER "MH1" at 414.198,386.969 h1.02 r180
P10: PIN_NUMBER "9" at 397.383,391.414 h1.02 r180; PIN_NUMBER "11" at 386.258,391.414 h1.02 r180; PIN_NUMBER "6" at 388.849,377.571 h1.02 r180; PIN_NUMBER "10" at 394.437,391.414 h1.02 r180; PIN_NUMBER "3" at 392.659,380.619 h1.02 r180; PIN_NUMBER "2" at 393.929,377.571 h1.02 r180; PIN_NUMBER "1" at 395.199,380.619 h1.02 r180; PIN_NUMBER "12" at 383.718,391.414 h1.02 r180; PIN_NUMBER "4" at 391.389,377.571 h1.02 r180; PIN_NUMBER "5" at 390.119,380.619 h1.02 r180; PIN_NUMBER "SH1" at 397.688,383.413 h1.02 r180; PIN_NUMBER "SH2" at 382.194,383.921 h1.02 r180; PIN_NUMBER "8" at 386.309,377.571 h1.02 r180; PIN_NUMBER "7" at 387.579,380.619 h1.02 r180; PIN_NUMBER "MH2" at 384.226,386.461 h1.02 r180; PIN_NUMBER "MH1" at 395.656,386.969 h1.02 r180